# Altium PCB MB1397.PcbDoc (part 5 of 11)
Units mm, origin at the board's own origin, x right, y up, seen from the top; angles counter-clockwise.
Board outline 118.24 x 172.86 mm, 6 copper layers (Top Layer, L2_GND, L3_VCC, L4_SIG, L5_GND, Bottom Layer), stack 1.631 mm thick; 819 components, 632 nets, 2875 pads, 1523 vias.
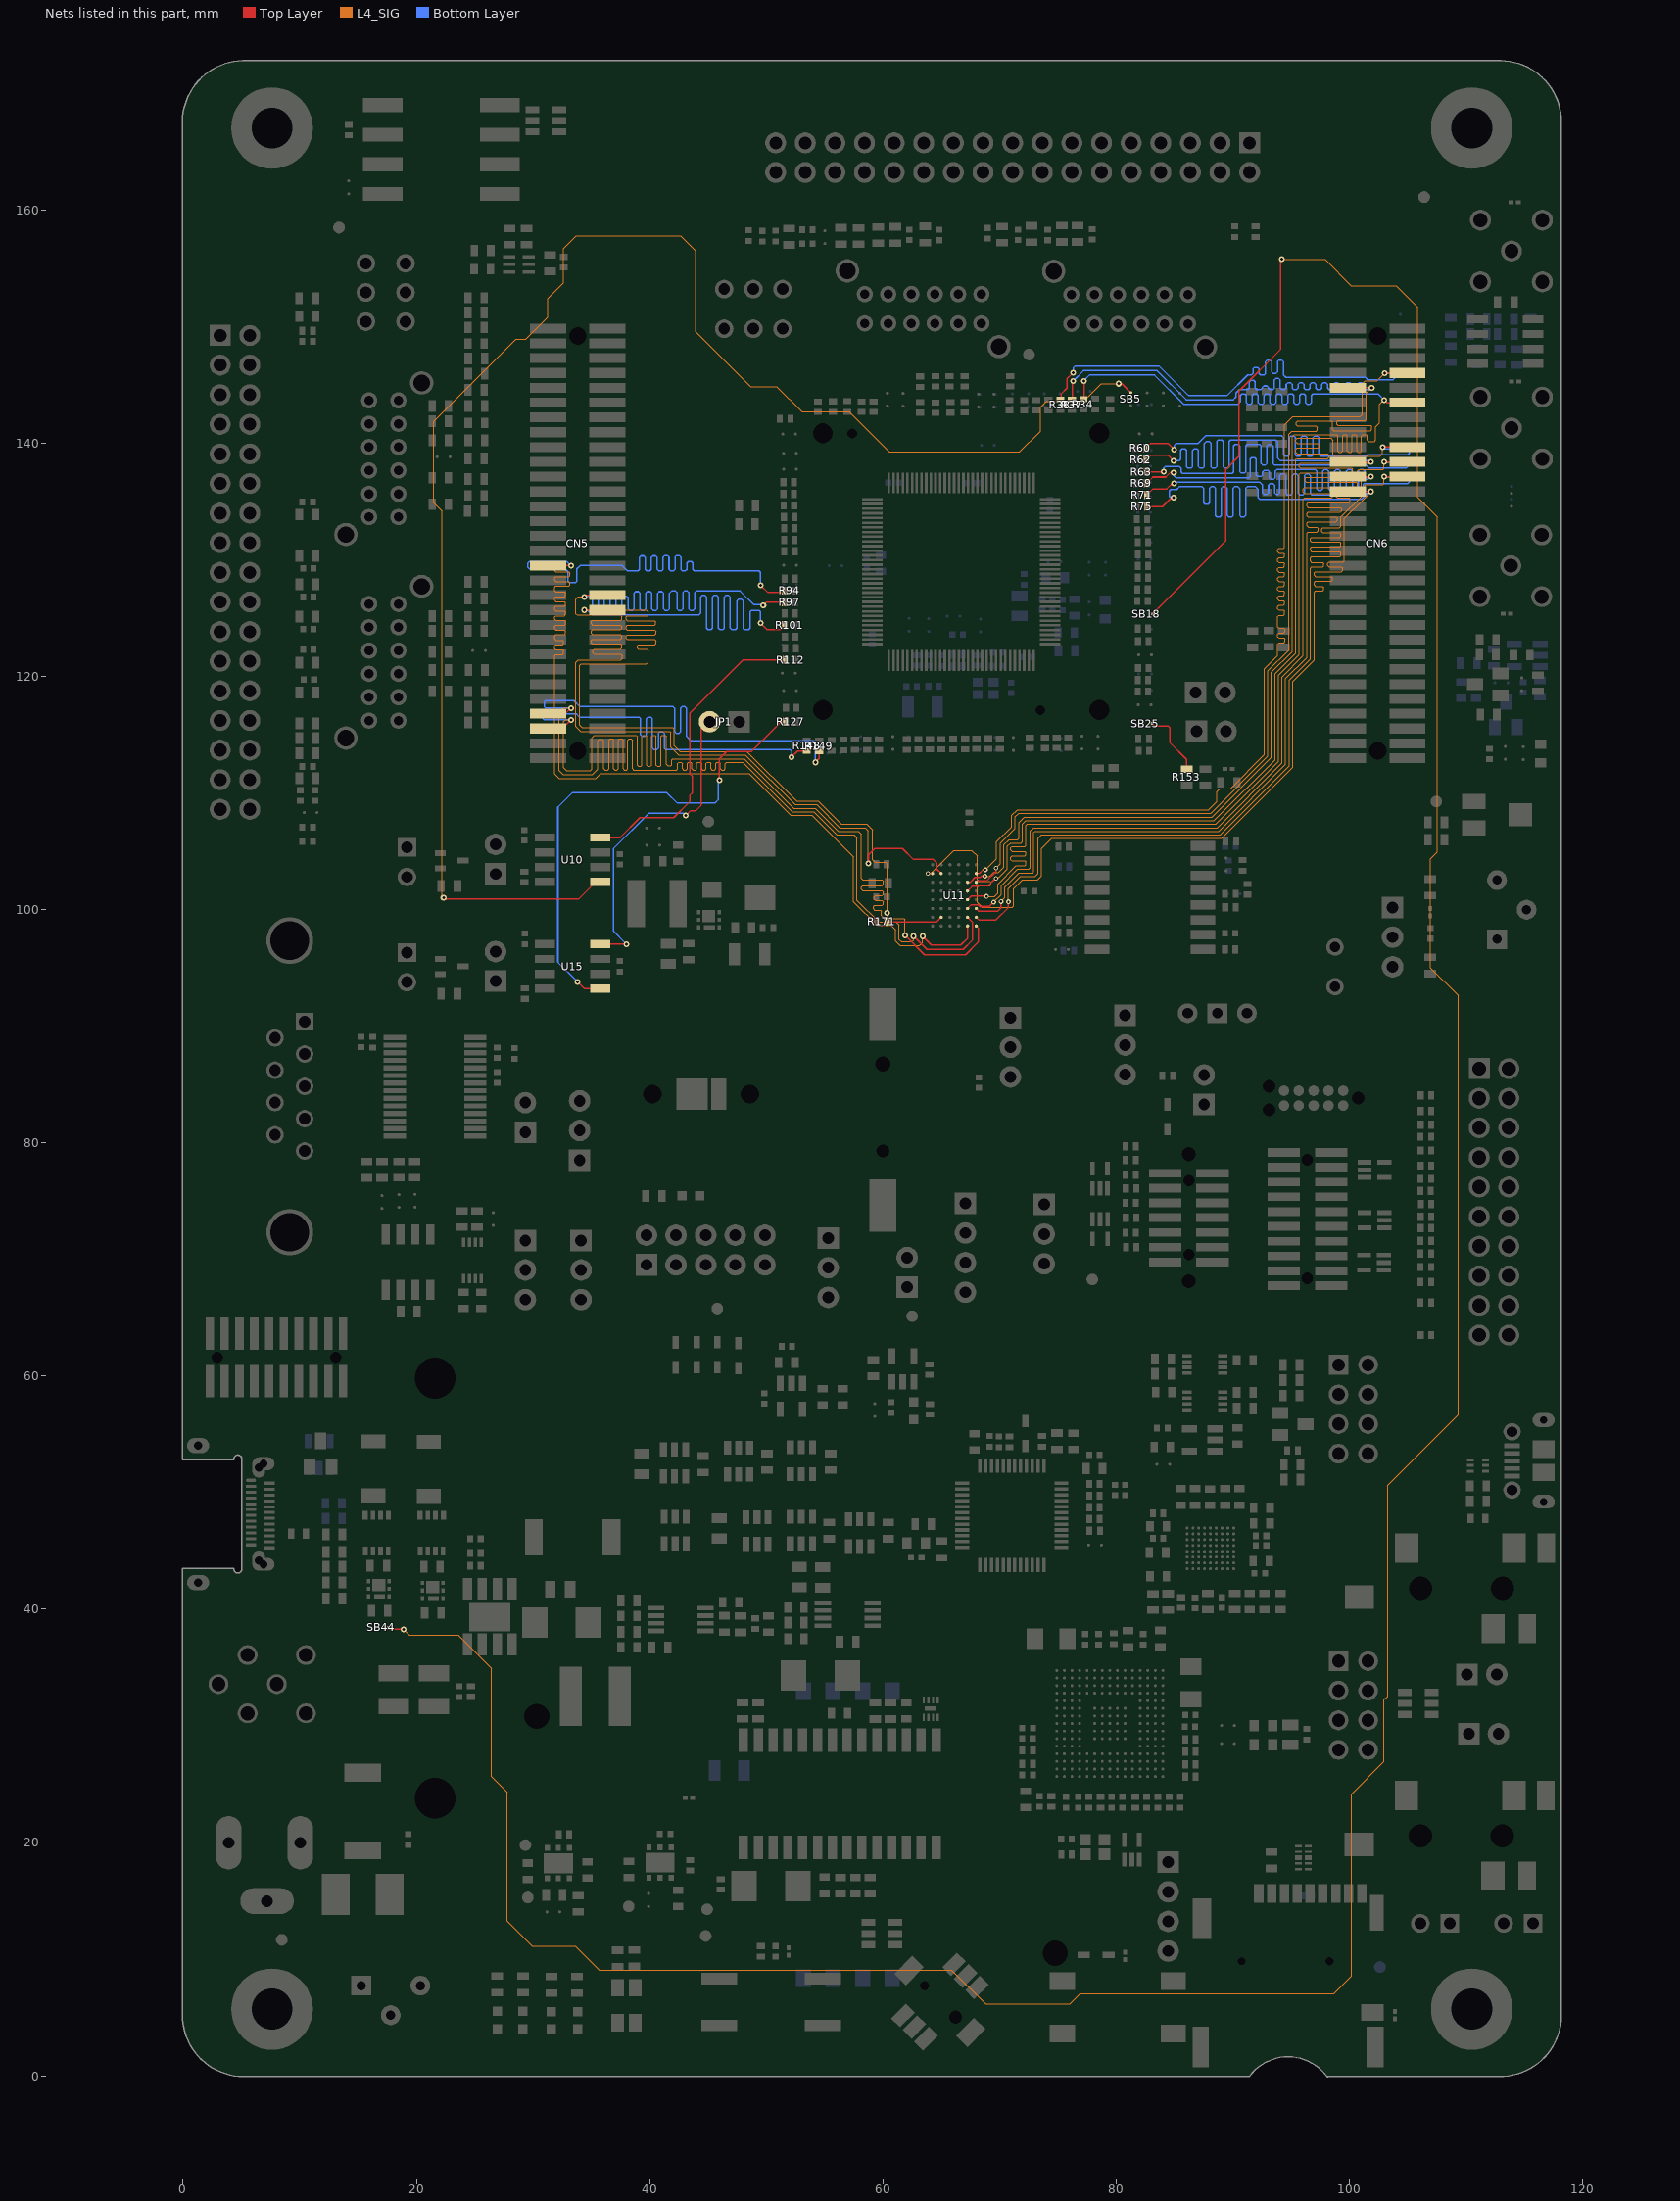
[diagram p9: the nets of this part, all layers, seen from the top]

## Via types
v1: diameter 0.508, hole 0.254, Top Layer to Bottom Layer, tented both sides, 1330 vias
v2: diameter 0.406, hole 0.203, Top Layer to Bottom Layer, tented both sides, 115 vias
v3: diameter 0.508, hole 0.254, Top Layer to Bottom Layer, 33 vias
v4: diameter 0.305, hole 0.152, Top Layer to Bottom Layer, tented both sides, 26 vias
v5: diameter 0.61, hole 0.305, Top Layer to Bottom Layer, tented both sides, 14 vias
v6: diameter 0.61, hole 0.33, Top Layer to Bottom Layer, tented both sides, 2 vias
v7: diameter 0.381, hole 0.203, Top Layer to Bottom Layer, tented both sides, 2 vias
v8: diameter 0.508, hole 0.203, Top Layer to Bottom Layer, tented both sides, 1 vias

## Nets (pads, with @x,y where several pads share a name; then routed paths per layer and width w, separated by ;. In a path a pad name is that pad's centre, name@x,y a point inside that pad or via, vN(x,y) a via of type N, cw(c..) or ccw(c..) an arc to the next point about the centre after c; other vN are vias at no path point) (continued)
D7: CN6.23 R75.1 U11.G6 | length 121.9
  Top Layer w0.127: v2(63.853,103.086) 64.249,103.086 U11.G6@64.249,103.085 ; R75.1@82.658,134.536 82.659,134.536 83.965,134.536 84.732,135.303 v1(84.935,135.303) ; CN6.23@99.865,135.841 99.865,135.842 v1(101.826,135.842)
  L4_SIG w0.102: v2(63.853,103.086) 64.094,103.086 66.088,105.077 67.612,105.077 68.095,104.595 68.095,102.527 68.196,102.426 69.162,102.426 69.263,102.324 69.263,102.121 69.162,102.019 68.196,102.019 68.095,101.918 68.095,100.612 68.506,100.2 71.09,100.2 71.194,100.302 71.194,101.775 71.956,102.537 73.251,102.537 73.607,102.893 73.607,105.23 74.47,106.093 89.047,106.093 95.138,112.184 95.138,119.543 96.975,121.379 96.975,127.201 97.076,127.302 97.686,127.302 97.787,127.404 97.787,127.607 97.686,127.709 97.076,127.709 96.975,127.81 96.975,128.039 97.076,128.14 98.448,128.14 98.549,128.242 98.549,128.445 98.448,128.547 97.076,128.547 96.975,128.648 96.975,128.852 97.076,128.953 99.291,128.953 99.413,129.075 99.413,129.278 99.311,129.38 98.245,129.38 98.143,129.482 98.143,129.685 98.245,129.786 99.464,129.786 99.565,129.888 99.565,133.524 101.22,135.179 ; 101.222,135.179 101.826,135.783 v1(101.826,135.842)
  Bottom Layer w0.127: v1(84.935,135.303) 84.681,135.303 84.554,135.43 84.554,135.885 84.681,136.012 85.189,136.012 85.42,136.243 87.368,136.243 87.495,136.116 87.495,134.871 87.622,134.744 87.876,134.744 88.003,134.871 88.003,136.116 88.13,136.243 88.384,136.243 88.511,136.116 88.511,133.779 88.638,133.652 88.892,133.652 89.019,133.779 89.019,136.116 89.146,136.243 89.4,136.243 89.527,136.116 89.527,133.779 89.654,133.652 89.908,133.652 90.035,133.779 90.035,136.116 90.162,136.243 90.447,136.243 90.594,136.096 90.594,133.795 90.721,133.668 90.975,133.668 91.102,133.795 91.102,136.111 91.234,136.243 91.945,136.243 92.174,136.014 92.174,135.303 92.301,135.176 101.034,135.176 101.699,135.842 v1(101.826,135.842)
D8: CN6.22 R71.1 U11.B1 | length 121
  Top Layer w0.127: U11.B1@67.999,99.335 68.001,99.334 68.224,99.108 69.695,99.108 70.762,100.175 v2(70.762,100.658) ; R71.1@82.644,135.56 83.155,136.065 84.331,136.065 84.788,136.522 v1(84.96,136.522) ; v1(102.969,137.112) 104.965,137.112 CN6.22@104.965,137.111
  L4_SIG w0.102: v2(70.762,100.658) 70.762,101.801 71.803,102.842 73.048,102.842 73.302,103.096 73.302,106.119 73.581,106.398 88.92,106.398 94.833,112.311 94.833,119.67 96.644,121.481 96.644,129.258 96.746,129.36 97.686,129.36 97.787,129.461 97.787,129.664 97.686,129.766 96.746,129.766 96.644,129.868 96.644,130.15 96.746,130.251 99.159,130.251 99.261,130.353 99.261,130.581 99.159,130.683 96.746,130.683 96.644,130.785 96.644,130.988 96.746,131.089 99.159,131.089 99.261,131.191 99.261,131.394 99.159,131.496 96.746,131.496 96.644,131.597 96.644,131.801 96.746,131.902 99.159,131.902 99.261,132.004 99.261,132.207 99.159,132.309 97.711,132.309 97.61,132.41 97.61,132.613 97.711,132.715 99.134,132.715 99.261,132.842 99.261,133.65 101.094,135.484 ; 101.095,135.484 101.318,135.707 101.318,136.345 101.42,136.446 102.867,136.446 102.969,136.548 v1(102.969,137.112)
  Bottom Layer w0.127: v1(84.96,136.522) 85.062,136.624 92.326,136.624 92.555,136.395 92.555,135.738 92.682,135.611 92.936,135.611 93.063,135.738 93.063,136.395 93.19,136.522 93.444,136.522 93.571,136.395 93.571,135.738 93.698,135.611 93.901,135.611 94.028,135.738 94.028,137.208 94.155,137.335 94.412,137.335 94.536,137.208 94.536,135.684 94.663,135.557 94.968,135.557 95.095,135.684 95.095,137.208 95.222,137.335 95.476,137.335 95.603,137.208 95.603,135.684 95.73,135.557 96.009,135.557 96.136,135.684 96.136,137.208 96.263,137.335 96.517,137.335 96.644,137.208 96.644,135.684 96.771,135.557 100.876,135.557 101.191,135.872 101.191,136.446 101.267,136.522 105.001,136.522 105.128,136.649 105.128,136.985 105.001,137.112 v1(102.969,137.112)
D9: CN6.21 R69.1 U11.C1 | length 120.3
  Top Layer w0.127: U11.C1@67.999,100.085 68.001,100.086 68.227,99.858 69.835,99.858 70.127,100.15 v2(70.127,100.683) ; R69.1@82.619,136.55 83.149,137.081 84.249,137.081 84.63,137.462 v1(84.935,137.462) ; CN6.21@99.865,137.111 99.865,137.112 v1(101.826,137.112)
  L4_SIG w0.102: v2(70.127,100.683) 70.457,101.013 70.457,101.925 71.676,103.147 72.87,103.147 72.946,103.223 72.946,106.601 73.048,106.703 88.793,106.703 94.529,112.438 94.529,119.797 96.34,121.608 96.34,132.265 96.441,132.367 97.203,132.367 97.305,132.469 97.305,132.672 97.203,132.773 96.467,132.773 96.34,132.9 96.34,133.149 96.441,133.251 98.854,133.251 98.956,133.353 98.956,133.556 98.854,133.657 96.441,133.657 96.34,133.759 96.34,133.962 96.441,134.064 99.235,134.064 99.337,134.165 99.337,134.369 99.235,134.47 96.441,134.47 96.34,134.572 96.34,134.775 96.441,134.877 99.972,134.877 100.073,134.978 100.073,135.202 99.972,135.303 98.981,135.303 98.854,135.43 98.854,135.659 98.956,135.76 100.81,135.76 101.013,135.964 101.013,137.01 101.115,137.112 v1(101.826,137.112)
  Bottom Layer w0.127: v1(84.935,137.462) 84.935,137.208 85.138,137.005 91.356,137.005 91.483,137.132 91.483,138.605 91.61,138.732 91.864,138.732 91.991,138.605 91.991,137.259 92.118,137.132 92.428,137.132 92.555,137.259 92.555,137.513 92.682,137.64 93.012,137.64 93.139,137.513 93.139,137.03 93.266,136.903 93.52,136.903 93.647,137.03 93.647,137.589 93.774,137.716 97.071,137.716 97.198,137.589 97.198,136.065 97.325,135.938 97.579,135.938 97.706,136.065 97.706,137.589 97.833,137.716 98.087,137.716 98.214,137.589 98.214,136.065 98.341,135.938 98.595,135.938 98.722,136.065 98.722,137.589 98.849,137.716 99.103,137.716 99.23,137.589 99.23,136.065 99.357,135.938 99.611,135.938 99.738,136.065 99.738,137.589 99.865,137.716 100.119,137.716 100.246,137.589 100.246,136.065 100.373,135.938 100.63,135.938 100.757,136.065 100.757,137.589 100.884,137.716 101.191,137.716 101.318,137.589 101.318,137.038 101.445,136.911 101.625,136.911 v1(101.826,137.112)
D10: CN6.20 R63.1 U11.C2 | length 120.8
  Top Layer w0.127: U11.C2@67.249,100.085 67.249,100.086 67.579,100.416 68.138,100.416 68.301,100.251 69.111,100.251 v2(69.492,100.632) ; R63.1@82.599,137.541 v1(84.071,137.541) ; v1(102.969,138.382) 104.965,138.382 CN6.20@104.965,138.381
  L4_SIG w0.102: v2(69.492,100.632) 70.152,101.293 70.152,102.052 71.552,103.452 72.514,103.452 72.641,103.579 72.641,106.726 72.921,107.008 88.666,107.008 94.224,112.565 94.224,119.946 96.035,121.757 96.035,135.181 96.136,135.283 98.448,135.283 98.549,135.385 98.549,135.588 98.448,135.689 96.136,135.689 96.035,135.791 96.035,136.065 96.136,136.167 100.581,136.167 100.683,136.268 100.683,136.535 100.581,136.637 96.289,136.637 96.187,136.738 96.187,136.942 96.289,137.043 100.581,137.043 100.683,137.145 100.683,137.589 100.81,137.716 102.867,137.716 102.969,137.818 v1(102.969,138.382)
  Bottom Layer w0.127: v1(84.071,137.541) 84.071,137.843 84.198,137.97 85.443,137.97 85.57,137.843 85.57,137.513 85.697,137.386 89.939,137.386 90.068,137.516 90.068,139.748 90.195,139.875 90.467,139.875 90.594,139.748 90.594,137.549 90.706,137.437 90.99,137.437 91.102,137.549 91.102,139.748 91.229,139.875 92.301,139.875 92.428,139.748 92.428,138.25 92.555,138.123 92.809,138.123 92.936,138.25 92.936,139.748 93.063,139.875 93.317,139.875 93.444,139.748 93.444,138.224 93.571,138.097 101.445,138.097 101.699,137.843 104.874,137.843 105.001,137.97 105.001,138.224 104.844,138.382 v1(102.969,138.382)
D11: CN6.19 R62.1 U11.D2 | length 119.6
  Top Layer w0.127: U11.D2@67.249,100.835 67.249,100.835 67.254,100.835 67.584,101.166 68.844,101.166 v2(68.882,101.128) ; R62.1@82.568,138.582 82.923,138.935 84.478,138.935 v1(84.935,138.478) ; CN6.19@99.865,138.381 99.865,138.382 v1(101.826,138.382)
  L4_SIG w0.102: v2(68.882,101.128) 69.555,101.128 69.847,101.42 69.847,102.179 71.425,103.756 72.184,103.756 72.26,103.833 72.26,104.074 72.159,104.176 71.067,104.176 70.965,104.277 70.965,104.48 71.067,104.582 72.159,104.582 72.26,104.684 72.26,104.887 72.159,104.988 71.067,104.988 70.965,105.09 70.965,105.293 71.067,105.395 72.159,105.395 72.26,105.496 72.26,107.211 72.362,107.312 88.539,107.312 93.919,112.692 93.919,120.073 95.705,121.859 95.705,137.348 95.806,137.45 100.175,137.45 100.277,137.551 100.277,137.754 100.175,137.856 95.806,137.856 95.705,137.958 95.705,138.173 95.806,138.275 101.719,138.275 v1(101.826,138.382)
  Bottom Layer w0.127: v1(84.935,138.478) 85.4,138.478 85.527,138.605 85.527,139.367 85.654,139.494 85.908,139.494 86.035,139.367 86.035,137.97 86.162,137.843 86.418,137.843 86.543,137.97 86.543,139.367 86.67,139.494 86.924,139.494 87.051,139.367 87.051,137.97 87.178,137.843 87.434,137.843 87.559,137.97 87.559,139.959 87.729,140.129 87.983,140.129 88.11,140.002 88.11,137.97 88.237,137.843 88.491,137.843 88.618,137.97 88.618,140.129 88.745,140.256 89.052,140.256 89.179,140.129 89.179,137.97 89.306,137.843 89.56,137.843 89.687,137.97 89.687,140.129 89.814,140.256 93.698,140.256 93.825,140.129 93.825,138.732 94.079,138.478 101.73,138.478 v1(101.826,138.382)
D12: CN6.18 R60.1 U11.E2 | length 119.7
  Top Layer w0.127: U11.E2@67.249,101.585 67.645,101.981 68.176,101.981 68.252,102.057 69.045,102.057 69.652,102.664 v2(69.695,102.664) ; R60.1@82.549,139.573 82.931,139.954 84.45,139.954 84.958,139.446 v1(84.963,139.446) ; v1(102.842,139.652) 104.965,139.652 CN6.18@104.965,139.651
  L4_SIG w0.102: v2(69.695,102.664) 69.847,102.664 70.66,103.477 70.66,105.42 70.94,105.7 71.854,105.7 71.956,105.801 71.956,107.335 72.235,107.617 88.392,107.617 93.614,112.84 93.614,120.2 95.4,121.986 95.4,138.6 95.476,138.676 98.143,138.676 98.245,138.778 98.245,138.981 98.143,139.083 95.507,139.083 95.4,139.189 95.4,139.464 95.501,139.565 97.305,139.565 97.406,139.667 97.406,139.87 97.305,139.972 95.501,139.972 95.4,140.073 95.4,140.307 95.501,140.409 98.397,140.409 98.6,140.205 98.6,139.012 98.753,138.859 102.613,138.859 102.842,139.088 v1(102.842,139.652)
  Bottom Layer w0.127: v1(84.963,139.446) 84.963,139.776 85.151,139.964 87.023,139.964 87.696,140.637 94.168,140.637 94.333,140.472 94.333,138.986 94.46,138.859 94.714,138.859 94.841,138.986 94.841,140.472 94.968,140.599 95.222,140.599 95.349,140.472 95.349,138.986 95.476,138.859 95.73,138.859 95.857,138.986 95.857,140.472 95.984,140.599 96.238,140.599 96.365,140.472 96.365,138.986 96.492,138.859 96.746,138.859 96.873,138.986 96.873,140.472 97,140.599 97.254,140.599 97.381,140.472 97.381,138.986 97.508,138.859 101.445,138.859 101.572,138.986 105.001,138.986 105.128,139.113 105.128,139.367 105.001,139.494 102.997,139.494 v1(102.842,139.652)
D13: CN6.12 R34.2 U11.F2 | length 120.6
  Top Layer w0.127: U11.F2@67.249,102.335 67.485,102.334 67.894,102.743 68.311,102.743 68.423,102.855 v2(68.743,102.855) ; v1(77.213,145.329) 77.213,145.311 77.267,145.258 R34.2@77.267,143.647 ; v1(102.969,143.685) 103.193,143.462 104.965,143.462 CN6.12@104.965,143.461
  L4_SIG w0.102: v2(68.743,102.855) 69.149,102.855 69.466,103.172 69.898,103.172 70.355,103.629 70.355,105.545 70.813,106.004 71.549,106.004 71.651,106.106 71.651,107.462 72.108,107.922 88.212,107.922 93.309,113.02 93.309,120.327 95.095,122.113 95.095,140.536 95.273,140.713 98.905,140.713 99.007,140.612 99.007,139.316 99.108,139.215 99.311,139.215 99.413,139.316 99.413,140.612 99.515,140.713 99.718,140.713 99.819,140.612 99.819,139.316 99.921,139.215 100.124,139.215 100.226,139.316 100.226,140.612 100.327,140.713 100.531,140.713 100.632,140.612 100.632,139.316 100.734,139.215 100.937,139.215 101.039,139.316 101.039,140.612 101.14,140.713 101.443,140.713 101.544,140.612 101.544,140.231 101.646,140.129 102.156,140.129 102.258,140.231 102.258,141.399 102.588,141.729 102.588,143.304 v1(102.969,143.685)
  Bottom Layer w0.127: v1(77.213,145.329) 77.701,145.819 83.289,145.819 85.778,143.33 90.421,143.33 90.65,143.558 90.65,144.066 90.777,144.193 91.029,144.193 91.156,144.066 91.156,143.459 91.283,143.332 91.537,143.332 91.664,143.459 91.664,144.066 91.791,144.193 92.045,144.193 92.172,144.066 92.172,143.459 92.299,143.332 92.553,143.332 92.68,143.459 92.68,144.066 92.807,144.193 93.061,144.193 93.188,144.066 93.188,143.459 93.315,143.332 93.569,143.332 93.696,143.459 93.696,144.066 93.823,144.193 94.077,144.193 94.204,144.066 94.204,143.459 94.331,143.332 94.585,143.332 94.712,143.459 94.712,144.066 94.839,144.193 95.093,144.193 95.22,144.066 95.22,143.459 95.347,143.332 95.601,143.332 95.728,143.459 95.728,144.066 95.855,144.193 96.109,144.193 96.236,144.066 96.236,143.459 96.363,143.332 96.617,143.332 96.744,143.459 96.744,144.066 96.871,144.193 102.459,144.193 v1(102.969,143.685)
D14: CN6.9 R37.2 U11.F1 | length 121.5
  Top Layer w0.127: U11.F1@67.999,102.335 68.001,102.334 68.105,102.438 68.885,102.438 69.695,103.248 v2(69.695,103.553) ; R37.2@76.251,143.624 76.251,145.263 76.312,145.324 v1(76.312,145.329) ; CN6.9@99.865,144.731 99.865,144.732 v1(101.902,144.732)
  L4_SIG w0.102: v2(69.695,103.553) 70.051,103.909 70.051,105.672 71.346,106.967 71.346,107.947 71.651,108.252 88.11,108.252 93.005,113.147 93.005,120.454 94.79,122.24 94.79,140.739 95.07,141.018 97.152,141.018 97.254,141.12 97.254,141.323 97.127,141.45 95.527,141.45 95.425,141.552 95.425,141.755 95.552,141.882 98.448,141.882 98.524,141.806 98.524,141.171 98.626,141.069 101.801,141.069 101.902,141.171 101.902,141.407 101.801,141.508 99.007,141.508 98.905,141.61 98.905,141.813 99.007,141.915 101.343,141.915 101.445,142.016 101.445,144.275 v1(101.902,144.732)
  Bottom Layer w0.127: v1(76.312,145.329) 76.319,145.329 77.188,146.2 83.515,146.2 86.004,143.711 90.04,143.711 90.269,143.939 90.269,144.29 90.554,144.574 91.277,144.574 91.404,144.701 91.404,145.247 91.531,145.374 91.785,145.374 91.912,145.247 91.912,144.701 92.039,144.574 92.4,144.574 92.527,144.701 92.527,144.765 92.654,144.892 92.908,144.892 93.035,144.765 93.035,144.701 93.162,144.574 93.431,144.574 93.558,144.701 93.558,145.405 93.685,145.532 93.939,145.532 94.066,145.405 94.066,144.701 94.193,144.574 94.447,144.574 94.574,144.701 94.574,145.024 94.701,145.151 94.955,145.151 95.082,145.024 95.082,144.701 95.209,144.574 95.463,144.574 95.59,144.701 95.59,145.024 95.717,145.151 95.971,145.151 96.098,145.024 96.098,144.701 96.225,144.574 96.479,144.574 96.606,144.701 96.606,145.024 96.733,145.151 96.987,145.151 97.114,145.024 97.114,144.701 97.241,144.574 97.495,144.574 97.622,144.701 97.622,145.024 97.749,145.151 98.003,145.151 98.13,145.024 98.13,144.701 98.257,144.574 98.511,144.574 98.638,144.701 98.638,145.024 98.765,145.151 99.019,145.151 99.146,145.024 99.146,144.701 99.273,144.574 99.527,144.574 99.654,144.701 99.654,145.024 99.781,145.151 100.035,145.151 100.162,145.024 100.162,144.701 100.289,144.574 100.543,144.574 100.67,144.701 100.67,145.024 100.797,145.151 101.051,145.151 101.178,145.024 101.178,144.701 101.305,144.574 101.745,144.574 v1(101.902,144.732)
D15: CN6.8 R38.2 U11.G1 | length 121.8
  Top Layer w0.127: U11.G1@67.999,103.085 68.001,103.086 68.26,103.086 68.577,103.401 v2(68.781,103.401) ; R38.2@75.26,143.617 75.26,144.17 75.791,144.701 75.791,145.514 v1(76.312,146.035) ; v1(103.033,146.002) 104.965,146.002 CN6.8@104.965,146.001
  L4_SIG w0.102: v2(68.781,103.401) 69.746,104.366 69.746,105.799 71.041,107.094 71.041,108.074 71.524,108.557 87.907,108.557 88.628,109.278 88.628,110.117 88.882,110.368 89.794,110.368 92.7,113.274 92.7,120.64 93.85,121.79 93.85,122.779 93.952,122.88 94.384,122.88 94.485,122.982 94.485,123.185 94.384,123.287 93.952,123.287 93.85,123.388 93.85,123.619 93.952,123.721 94.358,123.721 94.46,123.822 94.46,124.026 94.358,124.127 93.952,124.127 93.85,124.229 93.85,125.118 93.952,125.219 94.333,125.219 94.435,125.321 94.435,125.58 94.333,125.682 93.952,125.682 93.85,125.783 93.85,125.987 93.952,126.088 94.333,126.088 94.435,126.19 94.435,126.393 94.333,126.495 93.952,126.495 93.85,126.596 93.85,126.799 93.952,126.901 94.333,126.901 94.435,127.003 94.435,127.206 94.333,127.307 93.952,127.307 93.85,127.409 93.85,127.612 93.952,127.714 94.333,127.714 94.435,127.815 94.435,128.019 94.333,128.12 93.952,128.12 93.85,128.222 93.85,128.425 93.952,128.527 94.333,128.527 94.435,128.628 94.435,128.831 94.333,128.933 93.952,128.933 93.85,129.035 93.85,129.238 93.952,129.339 94.333,129.339 94.435,129.441 94.435,129.644 94.333,129.746 93.952,129.746 93.85,129.847 93.85,130.051 93.952,130.152 94.333,130.152 94.435,130.254 94.435,130.457 94.333,130.559 93.952,130.559 93.85,130.66 93.85,130.863 93.952,130.965 94.333,130.965 94.435,131.067 94.435,141.552 95.146,142.263 100.912,142.263 101.089,142.441 101.089,145.082 101.343,145.336 102.37,145.336 v1(103.033,146.002)
  Bottom Layer w0.127: v1(76.312,146.035) 76.312,146.454 76.439,146.581 83.693,146.581 86.182,144.092 89.532,144.092 91.285,145.844 91.603,145.844 91.73,145.971 91.73,146.352 91.857,146.479 92.111,146.479 92.238,146.352 92.238,145.971 92.365,145.844 92.682,145.844 92.809,145.971 92.809,146.987 92.936,147.114 93.19,147.114 93.317,146.987 93.317,146.098 93.444,145.971 93.698,145.971 93.825,146.098 93.825,146.987 93.952,147.114 94.206,147.114 94.333,146.987 94.333,145.844 94.557,145.621 101.376,145.621 101.572,145.425 103.731,145.425 103.858,145.552 103.858,145.875 103.731,146.002 v1(103.033,146.002)
DAC: R153.2 SB25.1 | length 5.8
  Top Layer w0.127: SB25.1@83.05,115.951 83.256,115.745 84.427,115.745 84.618,115.555 84.618,114.285 86.032,112.87 R153.2@86.034,112.042
DISCHARGE: SB18.2 SB44.1 | length 306.1
  Top Layer w0.127: 17.49,38.275 v1(18.895,38.275) ; SB18.2@83.125,125.324 83.124,125.364 89.38,131.62 89.38,137.716 90.523,138.859 90.523,144.447 94.079,148.003 94.079,155.649 v1(94.181,155.75)
  L4_SIG w0.102: v1(18.895,38.275) 19.378,37.793 23.569,37.793 26.441,34.92 26.441,25.651 27.785,24.308 27.785,13.256 29.944,11.097 33.627,11.097 35.659,9.065 65.89,9.065 68.809,6.147 76.048,6.147 76.934,7.033 98.651,7.033 100.175,8.557 100.175,24.145 102.969,26.939 102.969,32.248 103.273,32.551 103.273,50.644 109.319,56.69 109.319,92.631 106.957,94.993 106.957,101.2 ; v1(94.181,155.75) 97.894,155.75 100.155,153.49 103.985,153.49 105.839,151.635 105.839,135.354 107.541,133.652 107.541,104.95 106.957,104.366 106.957,101.2 ; 106.929,101.2 106.957,101.2
FDCAN1_RX: JP1.2 U15.4 | length 27.5
  Top Layer w0.127: U15.4@35.761,97.029 v1(38.019,97.028) ; v1(43.101,108.074) 43.508,108.481 43.965,108.481 44.422,108.938 44.422,115.522 JP1.2@44.955,116.055
  Bottom Layer w0.127: v1(38.019,97.028) 36.878,98.168 36.878,105.2 39.918,108.24 42.936,108.24 v1(43.101,108.074)
FDCAN1_TX: R127.2 U15.1 | length 43.2
  Top Layer w0.127: v1(33.805,93.8) 34.387,93.218 U15.1@35.761,93.219 ; v1(45.971,111.084) 45.971,112.916 46.596,113.541 48.722,113.541 51.279,116.098 R127.2@51.647,116.098 R127.2@51.694,116.098
  Bottom Layer w0.127: v1(33.805,93.8) 32.128,95.476 32.128,108.786 33.348,110.005 41.476,110.005 42.365,109.116 45.59,109.116 45.87,109.395 45.87,110.983 v1(45.971,111.084)
FDCAN2_RX: R112.2 U10.4 | length 26.8
  Top Layer w0.127: U10.4@35.761,106.171 37.462,106.169 39.164,107.871 42.06,107.871 43.431,109.243 43.431,109.776 43.66,110.005 43.66,111.427 43.431,111.656 43.431,116.822 48.019,121.412 R112.2@51.628,121.412
FDCAN2_TX: SB5.2 U10.1 | length 140
  Top Layer w0.127: v1(22.324,101.013) 22.451,100.886 33.881,100.886 35.354,102.359 U10.1@35.761,102.361 ; v1(80.211,145.082) 80.49,145.082 80.998,144.574 80.998,144.539 SB5.2@81.252,144.285
  L4_SIG w0.102: v1(22.324,101.013) 22.197,101.14 22.197,134.16 21.486,134.871 21.486,141.831 28.542,148.887 29.378,148.887 31.265,150.772 31.265,152.372 32.611,153.718 32.611,156.662 33.719,157.77 42.631,157.77 43.939,156.461 43.939,149.527 48.638,144.828 50.899,144.828 53.058,142.669 57.095,142.669 60.524,139.24 71.727,139.24 73.505,141.018 73.505,143.05 74.013,143.558 77.213,143.558 78.737,145.082 v1(80.211,145.082)
FMC_NBL0: CN5.55 R148.1 U11.A1 | length 118.1
  Top Layer w0.127: CN5.55@31.285,115.521 32.509,115.519 v1(33.246,116.253) ; v1(52.169,113.078) 52.677,113.586 R148.1@53.467,113.588 ; v1(61.897,97.787) 63.561,96.124 67.092,96.124 68.171,97.203 68.171,98.41 U11.A1@67.999,98.585
  L4_SIG w0.102: v1(33.246,116.253) 32.763,116.253 32.611,116.101 32.611,112.138 32.865,111.884 34.922,111.884 35.049,112.011 35.049,114.704 35.278,114.932 38.834,114.932 38.936,114.831 38.936,112.367 39.037,112.265 39.24,112.265 39.342,112.367 39.342,114.831 39.444,114.932 39.647,114.932 39.748,114.831 39.748,112.367 39.85,112.265 40.053,112.265 40.155,112.367 40.155,114.831 40.256,114.932 40.46,114.932 40.561,114.831 40.561,112.367 40.663,112.265 40.866,112.265 40.968,112.367 40.968,114.831 41.069,114.932 41.349,114.932 41.45,114.831 41.45,112.443 41.552,112.342 41.806,112.342 41.882,112.418 41.882,112.824 41.984,112.926 48.108,112.926 52.349,108.684 54.204,108.684 56.185,106.703 57.884,106.703 58.138,106.449 58.138,102.664 58.265,102.537 59.916,102.537 60.018,102.436 60.018,102.131 59.916,102.029 58.265,102.029 58.163,101.928 58.163,101.724 58.265,101.623 59.916,101.623 60.018,101.521 60.018,101.293 59.916,101.191 59.357,101.191 59.256,101.089 59.256,100.886 59.357,100.785 59.916,100.785 60.018,100.683 60.018,100.454 59.916,100.353 59.281,100.353 59.179,100.251 59.179,100.048 59.281,99.946 59.764,99.946 59.865,99.845 59.865,99.464 60.094,99.235 61.796,99.235 61.897,99.134 v1(61.897,97.787)
  Bottom Layer w0.127: v1(33.246,116.253) 30.96,116.253 30.833,116.38 30.833,116.634 30.96,116.761 33.729,116.761 34.008,116.482 39.088,116.482 39.215,116.355 39.215,114.983 39.342,114.856 39.596,114.856 39.723,114.983 39.723,116.355 39.85,116.482 40.104,116.482 40.231,116.355 40.231,113.84 40.358,113.713 40.612,113.713 40.739,113.84 40.739,115.11 40.866,115.237 41.12,115.237 41.247,115.11 41.247,113.84 41.374,113.713 52.042,113.713 52.169,113.586 v1(52.169,113.078)
FMC_NBL1: CN5.53 R149.1 U11.B2 | length 119.8
  Top Layer w0.127: CN5.53@31.285,116.791 32.766,116.789 v1(33.246,117.269) ; v1(54.201,112.619) 54.534,112.951 R149.1@54.534,113.571 ; v1(62.634,97.711) 63.777,96.568 66.876,96.568 67.663,97.356 67.663,98.92 U11.B2@67.249,99.335
  L4_SIG w0.102: v1(33.246,117.269) 32.611,117.269 32.23,116.888 32.23,111.884 32.56,111.554 35.075,111.554 35.557,112.037 35.557,114.45 35.684,114.577 35.913,114.577 36.04,114.45 36.04,112.088 36.167,111.961 36.396,111.961 36.497,112.062 36.497,114.526 36.599,114.628 36.802,114.628 36.904,114.526 36.904,112.062 37.005,111.961 37.208,111.961 37.31,112.062 37.31,114.526 37.412,114.628 37.615,114.628 37.716,114.526 37.716,112.062 37.818,111.961 38.021,111.961 38.123,112.062 38.123,114.526 38.224,114.628 38.428,114.628 38.529,114.526 38.529,112.062 38.631,111.961 42.304,111.961 42.405,112.062 42.405,112.519 42.507,112.621 42.71,112.621 42.812,112.519 42.812,112.062 42.913,111.961 43.116,111.961 43.218,112.062 43.218,112.519 43.32,112.621 43.523,112.621 43.624,112.519 43.624,112.062 43.726,111.961 43.929,111.961 44.031,112.062 44.031,112.519 44.133,112.621 44.336,112.621 44.437,112.519 44.437,112.062 44.539,111.961 44.742,111.961 44.844,112.062 44.844,112.519 44.945,112.621 45.148,112.621 45.25,112.519 45.25,112.062 45.352,111.961 45.555,111.961 45.657,112.062 45.657,112.519 45.758,112.621 45.961,112.621 46.063,112.519 46.063,112.062 46.164,111.961 46.368,111.961 46.469,112.062 46.469,112.484 46.606,112.621 47.983,112.621 52.225,108.379 54.077,108.379 56.058,106.398 57.503,106.398 57.782,106.119 57.782,100.797 59.649,98.93 61.135,98.93 61.389,98.676 61.389,97.432 61.592,97.229 62.481,97.229 62.634,97.381 v1(62.634,97.711)
  Bottom Layer w0.127: v1(33.246,117.269) 31.087,117.269 30.96,117.396 30.96,117.777 31.087,117.904 33.5,117.904 34.008,117.396 42.009,117.396 42.136,117.269 42.136,115.237 42.263,115.11 42.517,115.11 42.644,115.237 42.644,117.269 42.771,117.396 43.025,117.396 43.152,117.269 43.152,114.856 43.533,114.475 54.074,114.475 54.201,114.348 v1(54.201,112.619)
FMC_NE1: CN5.40 R101.2 R171.1 U11.B5 | length 123.2
  Top Layer w0.127: v1(34.389,125.679) CN5.40@36.385,125.681 ; v1(49.502,124.559) 50.061,124 51.186,124 R101.2@51.569,124.384 ; v1(60.366,99.718) R171.1@60.367,98.982 60.406,98.941 64.607,98.941 U11.B5@64.999,99.335
  L4_SIG w0.102: v1(34.389,125.679) 39.721,125.679 39.875,125.524 39.875,125.28 39.774,125.179 38.072,125.179 37.97,125.077 37.97,124.874 38.072,124.772 40.409,124.772 40.51,124.671 40.51,124.468 40.409,124.366 38.072,124.366 37.97,124.264 37.97,124.061 38.072,123.96 40.434,123.96 40.536,123.858 40.536,123.655 40.434,123.553 38.072,123.553 37.97,123.452 37.97,123.248 38.072,123.147 40.434,123.147 40.536,123.045 40.536,122.817 40.434,122.715 39.037,122.715 38.936,122.613 38.936,122.41 39.037,122.309 39.774,122.309 39.875,122.207 39.875,121.206 39.723,121.054 34.11,121.054 34.008,120.952 34.008,115.796 34.211,115.593 41.984,115.593 42.111,115.466 42.111,114.043 42.593,113.561 48.336,113.561 52.603,109.294 54.455,109.294 56.436,107.312 58.595,107.312 59.103,106.804 59.103,104.264 59.306,104.061 60.264,104.061 60.366,103.96 v1(60.366,99.718)
  Bottom Layer w0.127: v1(34.389,125.679) 34.643,125.679 35.049,125.27 44.239,125.27 44.366,125.397 44.366,126.794 44.493,126.921 44.747,126.921 44.874,126.794 44.874,124.127 45.001,124 45.255,124 45.382,124.127 45.382,126.794 45.509,126.921 45.763,126.921 45.89,126.794 45.89,124.127 46.017,124 46.271,124 46.398,124.127 46.398,126.794 46.525,126.921 46.779,126.921 46.906,126.794 46.906,124.127 47.033,124 47.343,124 47.47,124.127 47.47,126.446 47.622,126.601 47.876,126.601 48.003,126.474 48.003,124.102 48.105,124 48.486,124 48.613,124.127 48.613,125.524 48.74,125.651 49.375,125.651 49.502,125.524 v1(49.502,124.559)
FMC_NOE: CN5.33 R94.2 U11.A2 | length 124.4
  Top Layer w0.127: CN5.33@31.285,129.491 v1(33.246,129.489) ; v1(49.502,127.81) 50.137,127.175 51.407,127.175 R94.2@51.572,127.341 ; v1(63.396,97.711) 64.158,96.949 66.672,96.949 67.249,97.528 U11.A2@67.249,98.585
  L4_SIG w0.102: v1(33.246,129.489) 31.951,129.489 31.849,129.388 31.849,129.045 31.951,128.943 33.068,128.943 33.17,128.842 33.17,128.638 33.068,128.537 31.951,128.537 31.849,128.435 31.849,128.232 31.951,128.13 33.068,128.13 33.17,128.029 33.17,127.826 33.068,127.724 31.951,127.724 31.849,127.622 31.849,127.325 31.951,127.224 32.682,127.224 32.784,127.122 32.784,126.919 32.682,126.817 31.951,126.817 31.849,126.716 31.849,126.512 31.951,126.411 32.682,126.411 32.784,126.309 32.784,126.106 32.682,126.004 31.951,126.004 31.849,125.903 31.849,125.7 31.951,125.598 32.682,125.598 32.784,125.496 32.784,125.293 32.682,125.192 31.951,125.192 31.849,125.09 31.849,124.887 31.951,124.785 32.682,124.785 32.784,124.684 32.784,124.48 32.682,124.379 31.951,124.379 31.849,124.277 31.849,124.074 31.951,123.972 32.682,123.972 32.784,123.871 32.784,123.668 32.682,123.566 31.951,123.566 31.849,123.464 31.849,123.193 31.951,123.091 32.509,123.091 32.611,122.989 32.611,122.786 32.509,122.685 31.951,122.685 31.849,122.583 31.849,122.38 31.951,122.278 32.509,122.278 32.611,122.177 32.611,121.973 32.509,121.872 31.951,121.872 31.849,121.77 31.849,111.605 32.23,111.224 35.38,111.224 35.811,111.656 48.517,111.656 52.098,108.074 53.922,108.074 57.478,104.518 57.478,100.67 59.522,98.626 60.703,98.626 61.084,98.245 61.084,97.305 61.465,96.924 63.142,96.924 63.396,97.178 v1(63.396,97.711)
  Bottom Layer w0.127: v1(33.246,129.489) 32.89,129.842 29.69,129.842 29.563,129.715 29.563,129.334 29.69,129.207 32.738,129.207 32.992,128.953 32.992,128.143 33.119,128.016 33.627,128.016 33.754,128.143 33.754,129.207 34.036,129.489 37.645,129.489 38.103,129.032 38.994,129.032 39.121,129.159 39.121,130.193 39.248,130.32 39.502,130.32 39.629,130.193 39.629,129.159 39.756,129.032 40.01,129.032 40.137,129.159 40.137,130.193 40.264,130.32 40.518,130.32 40.645,130.193 40.645,129.159 40.772,129.032 41.026,129.032 41.153,129.159 41.153,130.223 41.28,130.35 41.534,130.35 41.661,130.223 41.661,129.159 41.788,129.032 42.042,129.032 42.169,129.159 42.169,130.223 42.296,130.35 42.55,130.35 42.677,130.223 42.677,129.159 42.804,129.032 43.058,129.032 43.185,129.159 43.185,129.715 43.312,129.842 43.566,129.842 43.693,129.715 43.693,129.159 43.82,129.032 49.375,129.032 49.502,128.905 v1(49.502,127.81)
FMC_NWE: CN5.38 R97.2 U11.G5 | length 123.1
  Top Layer w0.127: v1(34.389,126.794) 34.544,126.949 CN5.38@36.385,126.951 ; v1(49.743,126.096) 49.756,126.096 50.025,126.365 R97.2@51.569,126.365 ; v1(58.753,103.947) 58.753,104.676 59.306,105.23 61.669,105.23 62.608,104.29 64.31,104.29 64.615,103.985 64.615,103.469 64.999,103.086 U11.G5@64.999,103.085
  L4_SIG w0.102: v1(34.389,126.794) 33.856,126.794 33.678,126.616 33.678,125.346 33.779,125.245 37.488,125.245 37.589,125.143 37.589,124.897 37.488,124.795 35.1,124.795 34.999,124.694 34.999,124.49 35.1,124.389 37.488,124.389 37.589,124.287 37.589,124.084 37.488,123.982 35.1,123.982 34.999,123.881 34.999,123.678 35.1,123.576 37.488,123.576 37.589,123.474 37.589,123.271 37.488,123.17 35.1,123.17 34.999,123.068 34.999,122.865 35.1,122.763 37.488,122.763 37.589,122.662 37.589,122.425 37.488,122.324 35.278,122.324 35.151,122.197 35.151,121.994 35.253,121.892 37.539,121.892 37.64,121.79 37.64,121.536 37.513,121.409 33.881,121.409 33.678,121.206 33.678,115.669 34.084,115.263 41.704,115.263 41.806,115.161 41.806,113.916 42.466,113.256 48.209,113.256 52.476,108.989 54.331,108.989 56.312,107.008 58.468,107.008 58.753,106.723 v1(58.753,103.947)
  Bottom Layer w0.127: v1(34.389,126.794) 34.468,126.873 34.955,126.873 35.082,126.746 35.082,125.778 35.209,125.651 35.463,125.651 35.59,125.778 35.59,126.746 35.717,126.873 35.971,126.873 36.098,126.746 36.098,125.778 36.225,125.651 36.479,125.651 36.606,125.778 36.606,126.746 36.733,126.873 36.987,126.873 37.114,126.746 37.114,125.778 37.241,125.651 37.495,125.651 37.622,125.778 37.622,126.746 37.749,126.873 38.019,126.873 38.146,126.746 38.146,125.778 38.273,125.651 38.527,125.651 38.654,125.778 38.654,127.127 38.781,127.254 39.035,127.254 39.162,127.127 39.162,125.778 39.289,125.651 39.543,125.651 39.67,125.778 39.67,127.127 39.797,127.254 40.051,127.254 40.178,127.127 40.178,125.778 40.305,125.651 40.559,125.651 40.686,125.778 40.686,127.127 40.813,127.254 41.067,127.254 41.194,127.127 41.194,125.778 41.321,125.651 41.575,125.651 41.702,125.778 41.702,127.122 41.882,127.302 42.207,127.302 42.334,127.175 42.334,125.778 42.461,125.651 42.715,125.651 42.842,125.778 42.842,127.175 42.969,127.302 43.223,127.302 43.35,127.175 43.35,125.778 43.477,125.651 43.731,125.651 43.858,125.778 43.858,127.175 43.985,127.302 47.757,127.302 48.918,126.144 49.324,126.144 49.693,126.147 v1(49.743,126.096)